# KiCad board PSEC5_Board.kicad_pcb (continued)
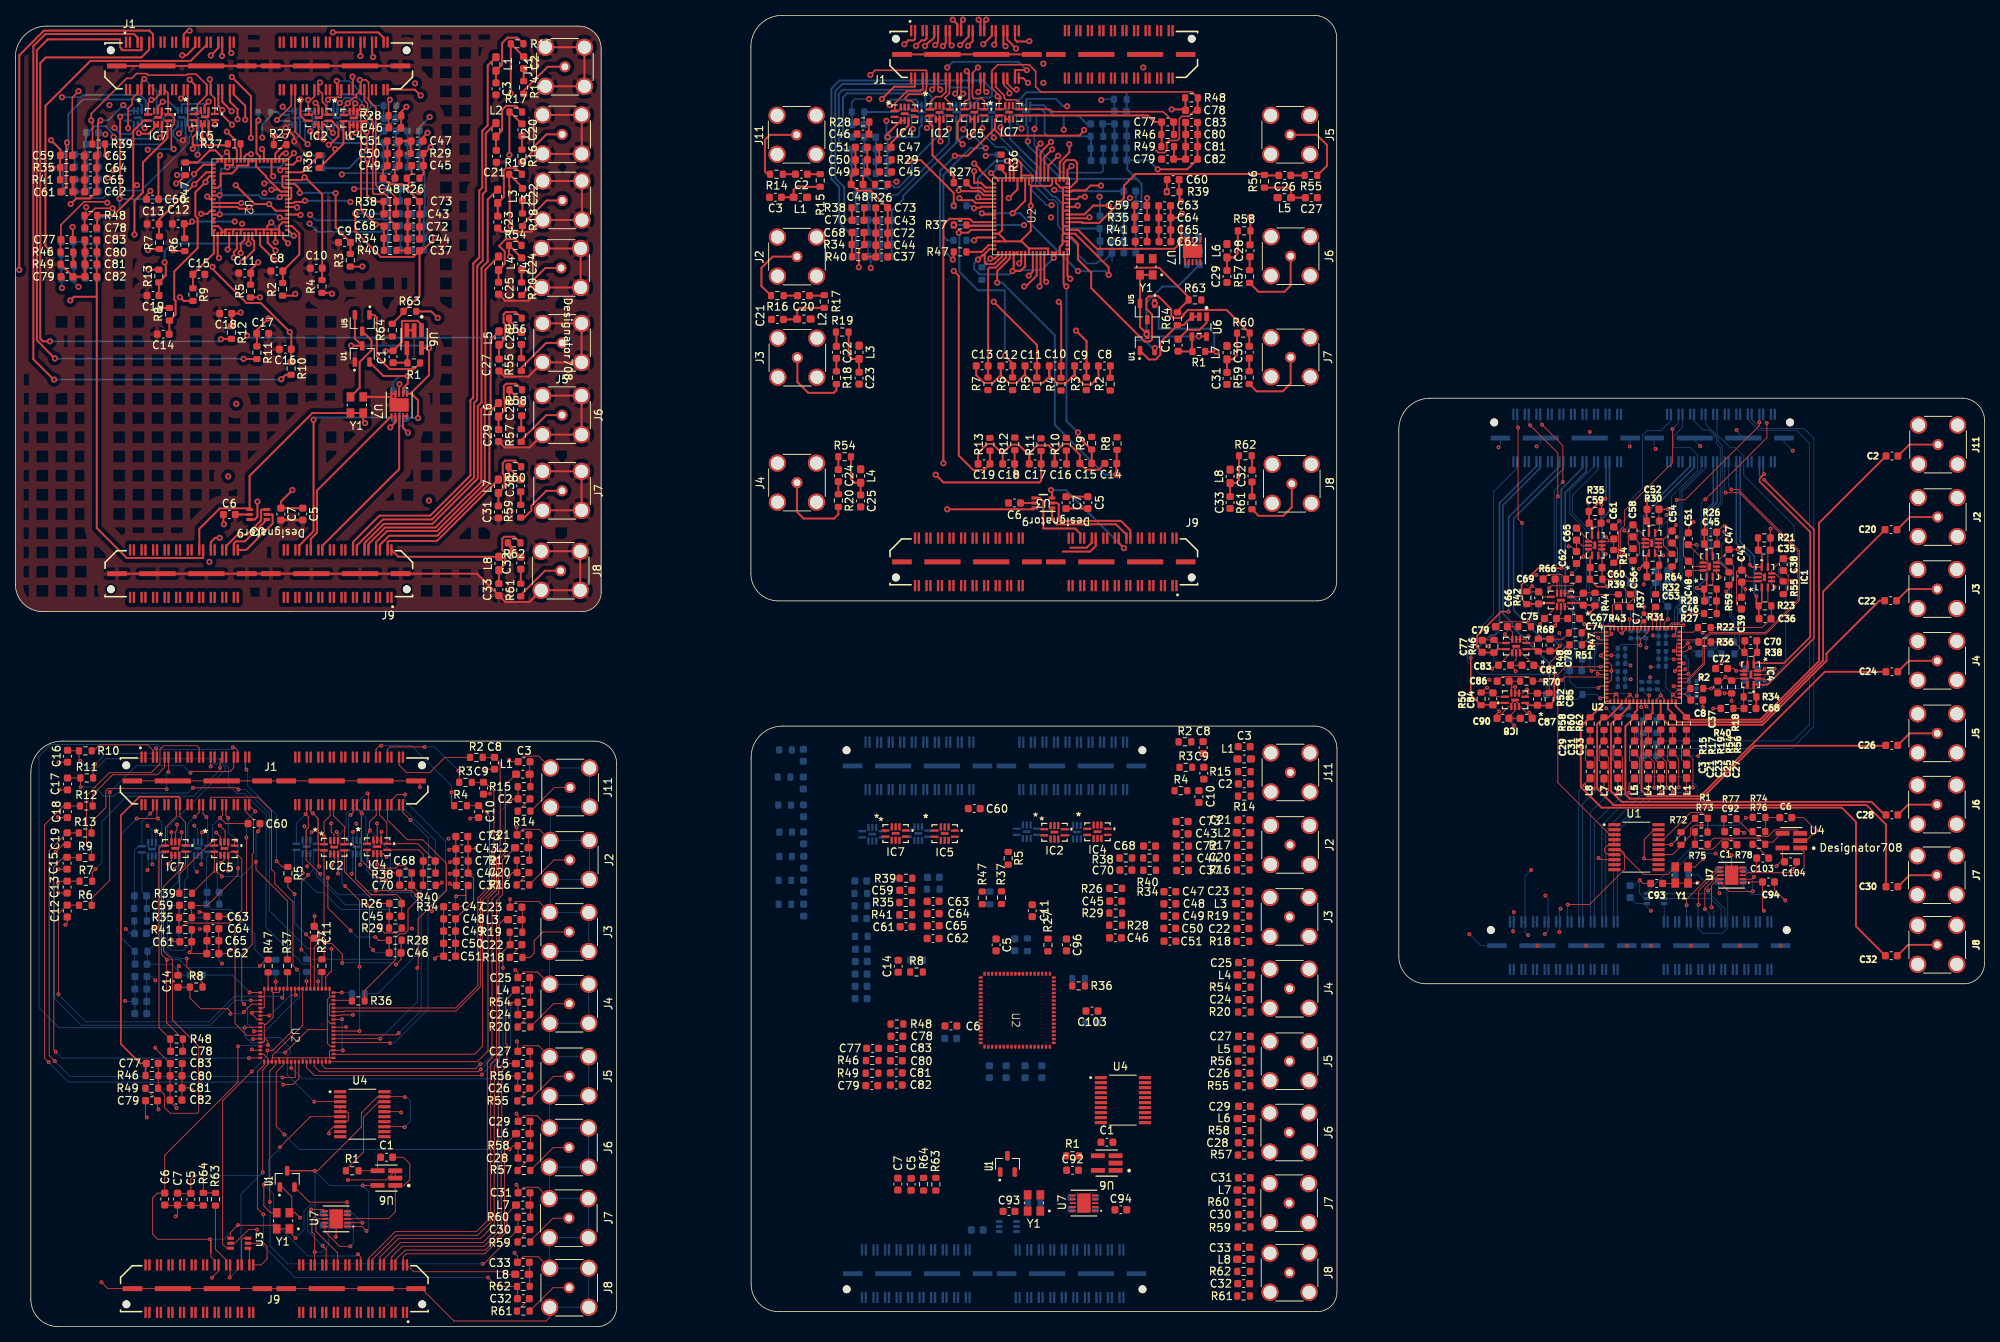
[diagram p0: board, top side]
## Routing (per net, layer and track width the routed paths; a pad name or vN(x,y) marks a point on that pad's centre or on a via; arc(x,y) is an arc through that point) (continued)
  In1.Cu w0.25: v2(18.79,132.5) 18.19,133.1 18.19,145.1 18.29,145.2 18.29,148.2 18.06,148.42 18.06,156.04 18.44,156.42 18.44,162.17 v2(21.71,165.45)
  Bottom w0.1: J1#5.73 196.85,117.48 v1(197.04,117.3) ; v1(22.3,47.9) 21.48,47.9 21.38,48 20.47,48 19.25,49.22 19.25,53.45 ; R8#5.2 202.84,87.57 202.84,94.4 201.09,96.15 201.09,97.83 200.49,98.43 200.49,107.9 v1(200.64,108.05) ; 19.25,53.37 19.25,56.02 21.2,57.97 21.2,61.87 19.8,63.27 19.8,64.96 27.27,72.43 27.27,72.79 26.83,73.23 25.73,73.23 v1(25.4,72.9)
Disc_Thresh8: length 116.6
  Top w0.1: J1#2.21 23.91,75.34 23.65,75.6 19.31,75.6 18.81,75.11 18.81,73.23 17.7,72.12 12.26,72.12 9.25,69.12 9.25,62.84 9.92,62.18 R9#2.2 ; v1(195.99,104.6) 195.46,105.12 v1(195.46,117)
  Top w0.25: J1.35 129.02,167.47 v2(130.16,166.33) ; v2(21.39,133.97) 21.88,133.48 R9#3.2 ; J1#3.21 21.9,168.19 22.36,168.65 v2(22.66,168.65)
  In1.Cu w0.25: v2(21.39,133.97) 21.76,134.35 21.76,153.4 20.56,154.6 20.56,161.21 24.05,164.7 25.71,164.7 26.14,165.12 26.14,168.4 25.89,168.65 v2(22.66,168.65)
  Bottom w0.1: J1#5.77 195.35,117.11 v1(195.46,117) ; v1(195.99,104.6) 195.99,97.11 197.24,95.86 197.24,91.91 198.13,91.02 199.03,91.02 201.54,88.51 201.54,82.92 R9#5.2
DISCBIAS: length 158.6
  Top w0.1: v1(19.9,72.17) 19.91,72.18 J1#2.11 19.91,73.59 ; v1(19.67,69.95) 19.57,70.05 12.07,70.05 11.77,69.75 11.77,67.56 9.9,65.69 R13#2.2
  Top w0.25: J1.19 123.02,169.85 v2(123.26,170.09) ; R13#3.2 v2(17.31,137.55) ; J1#3.11 17.9,168.19 17.42,168.66 3.71,168.66 0.51,165.46 v2(0.51,137.52)
  In2.Cu w0.25: v2(0.51,137.52) 17.29,137.52 v2(17.31,137.55)
  Bottom w0.1: v1(19.67,69.95) 19.67,71.95 v1(19.9,72.17) ; R13#5.2 212.44,76.62 212.44,75.89 213.1,75.22 231.06,75.22 233.94,78.1 233.94,115.62 232.69,116.86 227.07,116.86 225.85,118.08 J1#5.09
PICO: length 104.9
  Top w0.1: v1(44.77,46.85) 44.77,55.45 v1(42.9,57.32) ; v1(45.82,69.4) 45.91,69.31 J1#2.68 ; U2#3.47 v1(44.75,38.47) ; U2#5.47 217.04,85.37 v1(217.21,85.55)
  Top w0.25: U2.47 132.85,153.46 v2(133.35,153.97) ; J1#3.68 43.9,162.63 v2(43.85,162.68) ; v2(37.66,146.52) 37.51,146.37 36.34,146.37 36.19,146.22 U2#4.47 ; J1.11 120.02,167.16 v2(119.65,166.79)
  In1.Cu w0.25: v2(43.59,146.37) 44.96,147.75 44.96,157.43 45.82,158.28 45.82,159 43.85,160.96 v2(43.85,162.68)
  Bottom w0.1: v1(42.9,57.32) 42.47,57.75 42.47,61.44 42.25,61.66 42.25,64.17 43,64.92 43,66.7 45.69,69.4 v1(45.82,69.4) ; v1(44.75,38.47) 44.75,46.82 v1(44.77,46.85) ; v1(217.21,85.55) 217.41,85.75 217.41,86.85 216.11,88.15 216.11,90.66 215.81,90.96 215.81,93.33 215.99,93.5 215.99,93.62 216.01,93.64 216.01,93.71 216.4,94.1 217.22,94.1 217.44,94.31 217.44,96.14 216.51,97.06 216.51,108.77 219.35,111.61 J1#5.28
  Bottom w0.25: v2(37.66,146.52) 43.44,146.52 v2(43.59,146.37)
POCI: length 153.1
  Top w0.1: v1(49.85,38.2) 49.62,37.97 U2#3.48 ; v1(217.61,84.95) 217.54,84.87 U2#5.48 ; J1#2.80 50.41,66.91 v1(51.4,65.92)
  Top w0.25: J1.04 117.02,161.45 116.94,161.37 114.31,161.37 v2(112.71,159.77) ; J1#3.80 51.95,160.98 v2(52.71,160.22) ; v2(36.64,145.65) 36.56,145.72 U2#4.48 ; v2(134.71,154.19) 133.35,152.82 U2.48
  In1.Cu w0.25: v2(52.71,160.22) 52.71,147.85 v2(52.51,147.65) ; v2(112.71,159.77) 114.81,161.87 120.71,161.87 122.95,164.1 124.05,164.1 124.47,163.68 124.47,163.08 125.18,162.37 130.19,162.37 131.41,161.14 132.49,161.14 133.21,161.87 v2(133.71,161.87)
  In2.Cu w0.25: v2(52.51,147.65) 50.51,145.65 v2(36.64,145.65) ; 213.22,161.31 213.22,154.63 214.22,153.63
  Bottom w0.1: v1(51.4,65.92) 53.76,63.56 53.76,60.14 53.66,60.04 53.66,56.1 52.78,55.22 52.78,41.13 v1(49.85,38.2) ; v1(217.61,84.95) 217.61,86.95 216.71,87.85 216.71,90.35 216.19,90.87 216.19,93.53 216.55,93.9 217.31,93.9 217.71,94.3 217.71,96.35 216.79,97.27 216.79,108.67 219.85,111.73 J1#5.26
PSEC5_CLK_OUT: length 205.8
  Top w0.1: v1(215.54,116.8) 215.54,112.43 209.29,106.18 209.29,104.2 208.74,103.65 208.74,98.38 210.69,96.43 210.69,94.95 209.94,94.2 208.09,94.2 207.76,93.87 v1(207.76,91.95) ; U4#3.3 v1(38.87,29.27) ; J1#2.35 28.91,74.98 28.52,75.37 v1(28.3,75.37) ; U1#2.3 207.41,64.02 200.64,70.8 200.64,84.87 201.64,85.87 v1(206.19,85.87) U2#5.9 ; U2#3.9 29.9,38.97 v1(29.82,38.9)
  Top w0.25: J1#3.35 26.9,165.38 v2(26.89,165.37) ; U2#4.9 25.31,146.72 v2(24.96,147.07) ; v2(131.71,161.87) 131.1,162.48 J1.40
  In1.Cu w0.25: v2(24.96,147.07) 25.94,148.05 25.94,155.37 25.04,156.27 25.04,158.3 26.86,160.12 26.86,165.35 v2(26.89,165.37)
  Bottom w0.1: 206.33,85.9 206.19,85.9 ; 206.33,85.9 206.91,86.48 206.91,91.1 v1(207.76,91.95) ; 206.33,85.9 206.21,85.9 v1(206.19,85.87) ; v1(28.3,75.37) 28.03,75.1 19.19,75.1 18.54,75.75 4.58,75.75 3.07,74.25 3.07,41.5 5.67,38.9 v1(29.82,38.9) 29.82,37.79 30.69,36.92 31.92,36.92 32.6,37.6 34.42,37.6 35.75,36.27 35.75,35.62 35.37,35.24 35.37,32.77 v1(38.87,29.27) ; v1(215.54,116.8) 216.35,117.61 J1#5.35
READBIAS1: length 128.2
  Top w0.1: J1#2.05 17.91,74.98 17.18,75.71 10.96,75.71 10.18,74.93 R10.2 ; v1(226.85,117.68) 226.85,117.26 217.19,107.6 v1(216.11,107.6)
  Top w0.25: J1#3.05 15.9,167.74 15.42,168.21 3.9,168.21 2.34,166.65 2.34,125.9 4.94,123.3 4.99,123.3 v2(5.04,123.25) ; J1.13 121.02,167.02 v2(120.64,166.64) ; R10#2.2 35.16,123.87 v2(34.59,123.3)
  Bottom w0.1: J1#5.07 v1(226.85,117.68) ; R10#4.2 214.86,98.5 214.86,104.57 216.11,105.82 v1(216.11,107.6)
  Bottom w0.25: v2(34.59,123.3) 34.54,123.25 v2(5.04,123.25)
READBIAS2: length 127.6
  Top w0.1: v1(227.81,117.57) 227.84,117.55 227.84,115.7 v1(219.81,107.67) ; R11#3.2 10.11,72.93 v1(10.38,73.2) ; v1(18.33,75.25) 18.41,75.17 J1#2.07
  Top w0.25: v2(29.69,125.95) 29.71,125.92 R11#2.2 ; v2(121.78,166.74) 121.52,167 J1.15 ; J1#3.07 16.4,166.14 16.38,166.11 13.87,166.11 13.81,166.17 13.81,166.32 13.61,166.52 13.61,167.52 4.29,167.52 4.25,167.56 2.79,166.1 2.79,128.39 3.59,127.59 3.59,127.55 v2(5.14,126)
  Bottom w0.1: 227.35,118.26 J1#5.05 227.35,118.03 v1(227.81,117.57) ; v1(219.81,107.67) 219.26,107.12 219.26,101.8 218.29,100.82 218.29,95.77 219.46,94.6 R11#4.2 ; v1(18.33,75.25) 17.68,74.6 11.78,74.6 v1(10.38,73.2)
  Bottom w0.25: v2(5.14,126) 5.19,125.95 v2(29.69,125.95)
ReadClk: length 100.6
  Top w0.1: v1(31.02,38.42) 31.07,38.47 U2#3.8 ; U2#5.8 205.06,85.37 v1(205.04,85.35) ; J1#2.38 29.91,67.06 30.97,65.99 30.97,61.67 30.8,61.5 30.8,49.75 29.45,48.4 29.45,42.27 v1(29.75,41.97)
  Top w0.25: v2(28.9,157.12) 28.9,158.42 27.9,159.42 J1#3.38 ; v2(115.64,166.89) 116.14,167.4 116.85,167.4 117.02,167.56 J1.03 ; v2(131.21,135.37) 131.42,135.37 132.85,136.79 U2.8 ; U2#4.8 v2(29.39,146.22)
  In1.Cu w0.25: v2(28.9,157.12) 28.9,157.05 29.39,156.56 v2(29.39,146.22)
  In2.Cu w0.25: 202.49,136.03 209.49,136.03 210.72,134.81
  Bottom w0.1: v1(205.04,85.35) 204.79,85.6 204.79,87.01 205.41,87.63 205.41,88.61 206.29,89.48 206.29,93.52 204.36,95.45 204.36,103.63 202.19,105.8 202.19,108.8 205.35,111.96 J1#5.52 ; v1(29.75,41.97) 30.2,41.52 30.2,39.4 31.02,38.57 v1(31.02,38.42)
rst: length 129.2
  Top w0.1: v1(222.46,108.55) 224.21,108.55 231.86,100.9 231.86,94.6 227.61,90.35 220.36,90.35 219.51,89.5 219.51,86.28 217.6,84.37 U2#5.49 ; J1#2.74 48.41,65.94 51,63.36 52.99,63.36 56.07,60.28 56.07,56.75 52.38,53.06 52.38,46.77 v1(52.28,46.67) ; U2#3.49 v1(47.47,37.47)
  Top w0.25: U2.49 133.85,152.18 v2(134.86,153.2) ; v2(117.16,166.68) 117.87,167.4 118.28,167.4 118.52,167.63 J1.07 ; 26.41,160.36 26.41,158.84 v2(26.92,158.33) 26.92,157.69 v2(28.19,156.42) ; v2(28.66,148.55) 31.13,146.08 v2(33.01,146.08) 33.87,145.22 U2#4.49
  In1.Cu w0.25: v2(28.66,148.55) 28.75,148.64 28.75,155.85 v2(28.19,156.42)
  In2.Cu w0.25: 213.22,163.81 214.22,162.81 214.22,154.81 214.94,154.08 214.94,153.21 214.36,152.64 ; v2(33.01,146.08) 32.89,145.96
  Bottom w0.1: J1#5.20 222.35,108.66 v1(222.46,108.55) ; v1(52.28,46.67) 52.28,42.28 v1(47.47,37.47)
  vias: v2(133.71,164.37)
SPIclk: length 129.5
  Top w0.1: U2#5.50 217.38,83.87 219.71,86.2 219.71,89.37 220.49,90.15 227.69,90.15 232.06,94.51 232.06,100.98 224.09,108.95 v1(223.21,108.95) ; U2#3.50 48.65,36.97 v1(48.72,36.9) ; v1(50.67,69.25) 49.65,69.25 48.91,68.5 J1#2.76
  Top w0.25: v2(135.64,152.37) 134.35,151.08 U2.50 ; v2(118.33,166.67) 118.95,167.29 119.04,167.29 119.52,167.78 J1.09 ; v2(28.12,158.17) 26.91,159.39 26.91,160 26.9,160.01 J1#3.36 ; v2(37.09,144.67) 37.04,144.72 U2#4.50
  In1.Cu w0.25: v2(28.12,158.17) 26.78,156.83 26.78,148.05 27.81,147.01 27.81,143.52 28.24,143.1 29.07,143.1 v2(29.49,143.52)
  In2.Cu w0.25: v2(29.49,143.52) 30.41,143.52 31.53,144.64 33.66,144.64 34.08,145.07 36.19,145.07 36.59,144.67 v2(37.09,144.67)
  Bottom w0.1: v1(50.67,69.25) 50.67,68.44 55.95,63.17 55.95,56.8 53.67,54.53 53.67,41.32 49.26,36.9 v1(48.72,36.9) ; J1#5.18 222.85,109.31 v1(223.21,108.95)
SYNC_N: length 31.6
  Top w0.1: U3#2.1 30.43,10.02 J9.44
  Top w0.25: U3#3.1 29.87,102.2 28.69,102.2 28.42,101.93 J9#2.44 ; J9#3.20 144.52,103.06 143.16,104.42 135.41,104.42 134.84,104.99 U3.1
  Bottom w0.1: U3#5.1 220.39,56.35 222.37,54.36 222.37,52.65
TRIGGERIN: length 158
  Top w0.1: U2#5.6 206.79,84.55 201.54,84.55 v1(201.14,84.15) ; v1(36.62,46.47) 36.11,46.99 36.11,55.29 33.75,57.65 33.75,59.07 33.3,59.52 33.3,67.15 31.54,68.91 25.51,68.91 25.41,68.81 J1#2.26 25.41,68.51 ; v1(30.9,37.42) 30.95,37.47 U2#3.6
  Top w0.25: U2.6 133.85,136.19 v2(134.07,135.97) ; U2#4.6 25.36,145.22 24.96,144.82 v2(24.14,144.82) ; J1.37 130.02,167.49 130.27,167.24 131.84,167.24 v2(131.89,167.29) ; v2(22.67,162.29) 23.4,161.56 J1#3.26
  In1.Cu w0.25: v2(22.67,162.29) 23.6,161.37 23.6,154.71 23.59,154.7 23.59,153.8 24.42,152.96 24.42,149.98 24.01,149.57 24.01,144.95 v2(24.14,144.82)
  In2.Cu w0.25: 211.4,166.73 211.4,165.99 208.07,162.66 208.07,156.97 206.91,155.81 206.91,155.21 207.77,154.35 207.77,141.21 213.58,135.41
  Bottom w0.1: J1#5.78 195.35,111.73 192.26,108.64 192.26,92.72 188.91,89.37 188.91,86.55 190.56,84.9 200.39,84.9 v1(201.14,84.15) ; v1(36.62,46.47) 36.97,46.12 36.97,42.94 31.46,37.42 v1(30.9,37.42)
TRIGGEROUT: length 145.4
  Top w0.1: U2#3.7 31.82,37.92 30.09,37.92 28.57,39.44 28.57,51.97 30.05,53.45 v1(30.05,63.65) ; J1#2.40 30.41,67.83 v1(31.2,67.05) ; v1(205.81,84.97) 205.91,84.87 U2#5.7
  Top w0.25: J1.38 130.02,163.5 130.05,163.53 v2(131.55,163.53) 131.71,163.37 ; U2#4.7 28.86,145.72 29.09,145.5 30.21,145.5 v2(30.44,145.72) ; v2(29.9,157.07) 29.9,158.87 28.41,160.36 ; U2.7 133.35,135.5 v2(133.21,135.37)
  In1.Cu w0.25: v2(30.44,145.72) 30.44,151.62 29.9,152.16 v2(29.9,157.07)
  In2.Cu w0.25: 212.72,134.81 211.99,134.08 203.28,134.08 200.72,136.65 200.72,154.54 200.21,155.05 200.21,159.81 200.72,160.32 200.72,163.31
  Bottom w0.1: 205.81,85 v1(205.81,84.97) 205.81,85.14 205.39,85.56 205.39,87.32 205.61,87.55 205.61,88.45 206.56,89.4 206.56,93.67 204.71,95.52 204.71,103.7 202.56,105.85 202.56,108.22 205.85,111.51 J1#5.50 ; v1(30.05,63.65) 30.05,65.9 v1(31.2,67.05)
  Bottom w0.25: v2(121.21,163.87) 121.94,164.59 130.49,164.59 v2(131.55,163.53)
V_ped1: length 178.5
  Top w0.1: L1#4.2 63.72,70.47 63.72,61.68 62.87,60.83 62.87,56.48 62,55.61 62,35.05 61.38,34.43 61.38,13.78 59.97,12.36 49.41,12.36 45.93,8.89 J9.16 ; L1.2 v1(217.39,69.52)
  Top w0.25: J9#2.16 43.92,102.11 47.36,105.55 53.96,105.55 59.19,110.77 59.19,120.55 59.56,120.92 59.56,138.37 60.34,139.15 60.34,147.85 60.74,148.25 60.74,155.62 61.44,156.32 61.44,164.12 L1#5.2
  Bottom w0.1: v1(217.39,69.52) 215.99,69.52 215.99,69.41 215.33,68.75 212.71,68.75 208.37,64.4 208.37,52.65
V_ped2: length 158.4
  Top w0.1: L2#5.2 215.56,69.6 v1(215.59,69.57) ; J9.14 46.43,8.75 49.53,11.85 49.59,11.85 49.63,11.89 60.13,11.89 61.83,13.59 61.83,34.19 62.57,34.93 62.57,55.41 63.36,56.2 63.36,60.69 L2.2
  Top w0.25: J9#2.14 44.42,101.66 47.81,105.05 54.19,105.05 59.66,110.52 59.66,120.22 60.06,120.62 60.06,138.02 60.79,138.75 60.79,147.4 61.19,147.8 61.19,155.3 L2#3.2
  Bottom w0.1: v1(215.59,69.57) 214.96,68.95 212.21,68.95 207.87,64.6 207.87,52.65
V_ped3: length 139.1
  Top w0.1: L3.2 214.01,69.6 v1(214.04,69.57) ; L3#2.2 63.51,52.96 62.92,52.37 62.92,34.53 62.28,33.89 62.28,13.25 60.47,11.44 49.81,11.44 47.43,9.06 J9.12
  Top w0.25: J9#2.12 45.42,101.97 47.93,104.47 54.25,104.47 60.15,110.37 60.15,119.78 60.64,120.27 60.64,137.8 61.44,138.6 61.44,146.67 L3#3.2
  Bottom w0.1: 206.87,52.65 206.87,64.63 211.39,69.15 213.61,69.15 v1(214.04,69.57)
V_ped4: length 120.6
  Top w0.1: L4#2.2 212.41,69.57 v1(212.44,69.55) ; L4.2 63.8,42.51 63.8,36.83 63.93,36.7 63.93,34.69 62.8,33.56 62.8,24.37 62.73,24.3 62.73,12.86 60.81,10.93 50.07,10.93 47.93,8.79 J9.10
  Top w0.25: J9#2.10 45.92,101.83 48.09,104 54.64,104 58.88,108.23 58.91,108.23 60.6,109.92 60.6,119.4 61.14,119.93 61.14,137.55 L4#5.2
  Bottom w0.1: 206.37,52.65 206.37,65.28 210.61,69.52 212.41,69.52 v1(212.44,69.55)
V_ped5: length 99.7
  Top w0.1: J9.08 48.93,9.06 50.34,10.46 60.97,10.46 63.18,12.67 63.18,23.88 63.27,23.97 63.27,33.25 64.25,34.23 L5#2.2 ; v1(209.89,69.47) 209.89,70.62 L5#3.2
  Top w0.25: J9#2.08 46.92,102.11 48.36,103.55 54.86,103.55 61.05,109.74 61.05,119.21 61.81,119.97 61.81,128.42 L5.2
  Bottom w0.1: 205.37,52.65 205.37,65.5 209.34,69.47 v1(209.89,69.47)
V_ped6: length 79.7
  Top w0.1: J9.06 49.43,8.69 50.7,9.96 61.11,9.96 63.63,12.48 63.63,23.63 L6#3.2 ; v1(208.41,69.47) 208.44,69.5 L6.2
  Top w0.25: L6#4.2 61.66,119 61.66,109.71 54.87,102.92 48.6,102.92 47.42,101.74 J9#2.06
  Bottom w0.1: v1(208.41,69.47) 207.39,69.47 204.87,66.95 204.87,52.65
V_ped7: length 58.7
  Top w0.1: L7#2.2 63.93,14.64 63.93,12.36 61.05,9.47 50.85,9.47 50.43,9.06 J9.04 ; L7#5.2 206.64,70.4 v1(206.34,70.1)
  Top w0.25: J9#2.04 48.42,102.11 48.56,102.25 54.84,102.25 60.41,107.82 60.41,107.83 L7#3.2
  Bottom w0.1: 203.87,52.65 203.87,68.01 205.95,70.1 v1(206.34,70.1)
V_ped8: length 48.3
  Top w0.1: v1(204.09,70.45) 204.09,70.62 L8#5.2 ; J9.02 51.82,7.14 63.57,7.14 63.9,6.81 L8#4.2
  Top w0.25: L8.2 49.81,100.19 J9#2.02
  Bottom w0.1: v1(204.09,70.45) 203.37,69.73 203.37,52.65
WBUFBIAS: length 160
  Top w0.1: R12.2 10.05,69.21 12.43,71.59 12.43,71.61 12.65,71.82 18.45,71.82 19.41,72.78 J1#2.09
  Top w0.25: v2(4.49,128.22) 3.59,128.22 3.24,128.57 3.24,128.6 ; v2(26.74,128.5) 26.78,128.54 R12#3.2 ; J1.17 122.52,169.5 v2(121.93,170.09) ; J1#3.09 17.4,166.19 16.39,165.17 3.96,165.17 3.24,164.45 3.24,128.6 ; 3.24,128.6 3.29,128.55
  Bottom w0.1: R12#5.2 214.56,76.22 231.24,76.22 233.39,78.37 233.39,114.95 231.67,116.66 226.74,116.66 225.35,118.06 J1#5.11
  Bottom w0.25: v2(4.49,128.22) 26.46,128.22 v2(26.74,128.5)
Net-(C2-Pad2): length 5.5
  Top w0.1: R14#4.1 C2#4.2
  Top w0.25: C2#3.2 R14#2.1 ; R14#5.1 C2.2
Net-(C3-Pad1): length 23.6
  Top w0.1: R15#2.1 66.99,71.79 L1#4.1 66.89,73.46 C3#3.1 ; L1.1 216.74,73.8 216.74,75.6 C3#5.1 217.34,76.25 217.34,77.72
  Top w0.25: C3#4.1 L1#3.1 101.22,147.9 101.72,148.4 102.43,148.4 102.49,148.33 R15#5.1 ; R15#4.1 65.29,167.75 64.01,167.75 63.31,167.05 63.31,164.25 L1#5.1 C3#2.1
Net-(C20-Pad2): length 5.9
  Top w0.1: R16#3.1 C20#2.2
  Top w0.25: R16#4.1 C20#5.2 ; C20#3.2 R16#2.1
Net-(C21-Pad1): length 23.8
  Top w0.1: R17#2.1 C21#5.1 214.94,75.6 214.94,73.72 L2#5.1 ; C21#3.1 66.75,63.95 L2.1 66.86,62.21 R17#3.1
  Top w0.25: R17#5.1 65.11,158.87 63.84,158.87 63.31,158.35 63.31,155.67 L2#3.1 62.51,153.13 C21.1 ; C21#2.1 101.64,131.07 L2#2.1 101.69,132.28 102,132.59 R17#4.1
Net-(C22-Pad2): length 5.7
  Top w0.1: C22#4.2 64.3,48.11 R18#3.1
  Top w0.25: C22#3.2 R18#4.1 ; R18.1 C22#5.2
Net-(C23-Pad1): length 23.8
  Top w0.1: C23#3.1 65.94,54.53 R19#2.1 ; R19.1 C23.1 213.39,75.6 213.39,73.72 L3.1
  Top w0.25: C23#5.1 L3#5.1 108.9,125.92 108.38,126.44 R19#4.1 ; R19#5.1 65.09,150.77 63.81,150.77 63.51,150.47 63.51,149.47 63.54,149.45 63.54,147.02 L3#3.1 C23#2.1
Net-(C24-Pad2): length 5.6
  Top w0.1: R20.1 65.34,39.02 C24#2.2
  Top w0.25: C24#5.2 R20#4.1 ; C24#4.2 R20#2.1
Net-(C25-Pad1): length 23.3
  Top w0.1: L4#2.1 211.79,73.72 211.79,75.6 C25#3.1 R54#5.1 ; R54#3.1 66.98,45.36 C25#5.1
  Top w0.25: R54.1 65.05,141.51 63.77,141.51 62.91,140.65 63.65,139.92 63.65,138.31 L4#5.1 C25.1 ; R54#2.1 108.69,110.28 109.14,109.83 L4#4.1 C25#2.1
Net-(C26-Pad2): length 5.9
  Top w0.1: R55#2.1 65.29,29.41 C26#5.2
  Top w0.25: R55.1 C26#2.2 ; C26#3.2 R55#4.1
Net-(C27-Pad1): length 23.9
  Top w0.1: L5#3.1 209.99,73.72 209.99,75.6 C27.1 210.64,76.25 R56#2.1 ; C27#4.1 66.97,35.76 R56.1
  Top w0.25: C27#3.1 L5.1 63.71,128.57 63.71,130.47 63.5,130.69 63.5,131.74 63.8,132.04 65.07,132.04 R56#5.1 ; R56#4.1 165.63,148.23 165.94,147.93 L5#5.1 C27#5.1
Net-(C28-Pad2): length 5.8
  Top w0.1: C28#3.2 65.33,20.33 R57#3.1
  Top w0.25: R57#4.1 160.54,139.19 C28#2.2 ; C28#4.2 65.8,118.49 R57.1
Net-(C29-Pad1): length 23.4
  Top w0.1: R58#5.1 66.99,26.67 C29#5.1 ; R58#3.1 C29#2.1 207.81,75.62 207.81,73.77 L6.1
  Top w0.25: C29#4.1 L6#4.1 63.65,119.24 63.65,120.72 63.53,120.84 63.53,122.4 63.84,122.71 65.11,122.71 R58#4.1 ; R58#2.1 159.01,139.69 158.46,139.14 L6#2.1 C29.1
Net-(C30-Pad2): length 5.7
  Top w0.1: R59#4.1 C30#4.2
  Top w0.25: C30#3.2 R59#2.1 ; R59#5.1 C30.2
Net-(C31-Pad1): length 23.3
  Top w0.1: R60#2.1 66.98,17.37 C31#2.1 ; R60#5.1 C31#4.1 206.01,75.6 206.01,73.7 L7#5.1
  Top w0.25: C31.1 L7#3.1 63.63,109.3 63.63,110.77 63.4,111.01 63.4,112.39 63.72,112.71 64.99,112.71 R60#3.1 ; R60.1 158.9,126.44 158.35,125.88 L7#4.1 C31#3.1
Net-(C32-Pad2): length 6.1
  Top w0.1: C32#2.2 65.25,2.04 R61#4.1
  Top w0.25: C32#4.2 R61.1 ; R61#2.1 160.85,109.93
Net-(C33-Pad1): length 23.6
  Top w0.1: C33#2.1 66.9,8.32 R62#5.1 ; R62.1 C33#4.1 204.21,75.6 204.21,73.75 L8#5.1
  Top w0.25: C33#3.1 L8.1 63.71,99.26 63.71,100.7 63.33,101.09 63.33,102.53 63.59,102.8 64.9,102.8 R62#3.1 ; C33.1 L8#3.1 158.75,109.78 159.17,110.19 159.16,110.21 R62#4.1
Net-(IC1-+IN): length 73.5
  Top w0.1: R22.1 227.21,90.97 C36.1 228.41,92.17 R23.2 227.96,94.25 IC1.2
  Top w0.25: v2(45.71,153.07) 45.71,155.42 v2(45.69,155.45)
  Bottom w0.1: IC1#2.2 45.7,59.42 48.61,56.5 51.37,56.5 51.58,56.71 R23#5.2 51.58,58.98 C36#5.1 51.54,56.04 52.48,55.1 52.48,48.68 47.15,43.34 R22#5.1
  Bottom w0.25: 47.49,156.45 48.7,156.45 C36#4.1 49.5,158.85 R23#4.2 ; 47.49,156.45 47.21,156.45 ; 47.49,156.45 46.14,156.45 ; R22#3.1 43.41,150.77 v2(45.71,153.07) ; IC1#4.2 45.7,156.9 46.14,156.45 ; v2(45.69,155.45) 46.14,155.9 46.14,156.45 ; IC1#5.2 115.1,158.47 114.7,158.07 R23#2.2 110.38,158.02 C36#3.1 ; R22#2.1 126.37,152.52 v2(126.21,152.37)
Net-(IC1--IN): length 63.3
  Top w0.1: v1(228.31,103.85) R21.1 228.31,101.1 C35.2 227.96,100.75 IC1.6 ; v1(52.17,56.12) 51.56,56.73 46.91,56.73 v1(46.9,56.74)
  Bottom w0.1: IC1#2.6 43.07,58.94 45.26,56.74 v1(46.9,56.74) ; C35#5.2 53.01,60.54 R24#3.1 53.01,56.96 v1(52.17,56.12) ; v1(228.31,103.85) 228.23,103.77 R24#4.1
  Bottom w0.25: C35#4.2 47.9,150.95 R24.1 41.57,154.04 40.57,155.04 IC1#4.6 ; IC1#5.6 119.2,160.02 118.27,160.94 107.61,160.94 107.1,160.44 107.1,153.78 107.66,153.22 R24#2.1 108.8,153.2 R21#5.1 108.8,150.12 C35#2.2
Net-(IC2-+IN): length 75.2
  Top w0.1: R27#3.1 221.31,94.39 C46#2.1 221.26,95.89 221.31,95.94 R28.2 220.79,96.51 IC2#2.2 ; R28#2.2 50.17,50.21 C46.1 50.17,47.77 v1(49.51,47.11) ; 40.15,49.87 40.15,48.07 R27#2.1 ; 40.15,49.87 IC2#3.2 ; 40.15,49.87 41.13,49.87 42.52,48.48 v1(42.52,47.32)
  Top w0.25: C46#5.1 50.19,156.07 R28#4.2 50.19,158.07 v2(50.86,158.75) ; R27#4.1 122.06,149.67 119.29,152.45 119.29,156.29 118.9,156.68 IC2#5.2 ; C46#3.1 111.03,156.73 R28#3.2 ; IC2#4.2 37.76,156.92 37.09,157.59 v2(37.09,159.68) ; R27#5.1 33.61,154.8 v2(33.76,154.95)
  In1.Cu w0.25: v2(33.76,154.95) 33.76,155.61 36.39,158.23 36.39,159.65 36.42,159.68 v2(37.09,159.68)
  In2.Cu w0.25: v2(50.86,158.75) 50.86,158.82 48.74,160.95 38.14,160.95 37.09,159.9 v2(37.09,159.68)
  Bottom w0.1: v1(49.51,47.11) 49.28,47.35 42.55,47.35 v1(42.52,47.32)
Net-(IC2--IN): length 42.5
  Top w0.1: IC2#3.6 42.78,59.22 46.81,55.19 47.12,55.19 47.24,55.07 R26#5.1 48.66,55.03 C45#5.2 48.61,53.36 R29#4.1 ; IC2#2.6 220.79,101.29 R26#4.1 221.34,103.34 C45#2.2 222.1,104.2 v1(222.36,104.2)
  Top w0.25: v2(54.01,153.5) 53.19,152.67 R29#3.1 53.08,149.97 R26#2.1 ; v2(40.77,153.82) 40.91,153.82 42.02,154.93 42.02,156 41.1,156.92 IC2#4.6
  In2.Cu w0.25: v2(54.01,153.5) 53.47,154.04 40.99,154.04 v2(40.77,153.82)
  Bottom w0.1: v1(222.36,104.2) 222.1,104.2 C45#2.2
Net-(IC3-+IN): length 93.1
  Top w0.1: 213.36,95.32 213.36,97.16 C53.1 213.76,99.04 R32.2 213.81,100.13 IC3.2 ; v1(37.2,49.07) 37.2,57.9 v1(38.1,58.8)
  Top w0.25: v2(122.06,145.87) 122.06,147.52 117.77,151.81 v2(116.33,151.81)
  In2.Cu w0.25: v2(44.06,148.05) 44.06,149.37 40.29,153.15 36.82,153.15 36.53,153.45 33.74,153.45 33.74,153.45 33.41,153.45 v2(32.11,154.75)
  Bottom w0.1: C53#2.1 49.33,47.82 R31#3.1 37.87,48.4 v1(37.2,49.07) ; C53#2.1 50.35,48.47 ; C53#2.1 50.17,50.22 R32#3.2 ; v1(38.1,58.8) 38.75,59.45 38.75,60.86 38.77,60.88 38.77,61.63 IC3#5.2
  Bottom w0.25: R32#5.2 109.32,145.7 C53#3.1 110.14,148.09 113.35,148.09 113.84,148.58 114.02,148.58 114.32,148.28 114.92,148.28 116.6,149.96 116.6,151.55 120.16,155.1 120.16,157.89 120.74,158.48 IC3#4.2 ; IC3#3.2 34.46,157.72 34.11,158.07 R31#2.1 33.19,157.52 32.11,156.45 v2(32.11,154.75) ; R32#4.2 48.44,146.52 C53#5.1 44.11,148.09 v2(44.06,148.05)
Net-(IC3--IN): length 106.5
  Top w0.1: IC3.6 213.84,103.84 R30.1 213.84,104.91 213.79,104.96 C52.2 214.94,106.36 v1(214.96,106.39)
  In1.Cu w0.25: v2(38.26,143.55) 39.54,144.82 39.54,152.38 38.97,152.95 38.97,154.08 38.36,154.68 v2(38.36,155.55)
  Bottom w0.1: v1(214.96,106.39) 214.91,106.44 R33.1 ; R33#5.1 48.6,54.27 ; 48.6,54.27 42.32,54.27 40.07,56.52 39.19,56.52 36.3,59.42 36.3,61.8 IC3#5.6 ; 48.6,54.27 48.6,55.03 C52#4.2
  Bottom w0.25: C52#2.2 48.41,140.17 R33#2.1 47.62,142.49 39.32,142.49 v2(38.26,143.55) ; IC3#3.6 38.35,157.72 38.67,157.4 38.67,155.86 v2(38.36,155.55) ; IC3#4.6 124.07,158.48 125.54,159.95 126.78,159.95 127.02,160.19 127.02,160.99 125.84,162.17 107.21,162.17 106.14,161.1 106.14,149.33 107.15,148.32 107.15,143.67 108.37,142.45 R33#3.1 109.3,139.35 C52#5.2
Net-(IC4-+IN): length 59.4
  Top w0.1: R36#5.1 223.56,89.1 R38#5.2 ; R38#5.2 224.91,89.2 C70#2.1 ; R38#5.2 225.31,87.35 IC4#2.2 ; R36#4.1 45.43,43.73 49.47,47.77 49.47,50.62 49.97,51.12 50.64,51.12 51.07,51.56 51.07,54.32 52.67,55.91 52.67,56.33 51.54,57.45 C70.1 51.53,59 R38.2 50.6,60 49.77,60 49.44,59.67 46.72,59.67 45.85,60.55 45.85,61.94 IC4#3.2
  Top w0.25: IC4#4.2 42.67,153.93 39.53,150.79 R36.1 ; C70#4.1 47.88,144.84 R38#4.2 46.57,146.42 45.74,147.25 45.74,151.87 v2(45.79,151.92) ; C70#3.1 108.82,145.55
  In2.Cu w0.25: v2(41.59,153.25) 44.46,153.25 v2(45.79,151.92)
Net-(IC4--IN): length 35.7
  Top w0.1: 223.44,80.45 223.34,80.55 ; 223.44,80.45 R40#2.1 ; 223.44,80.45 C68#3.2 224.81,80.5 R34.1 224.81,83.03 IC4#2.6 ; 53.05,57.44 53.05,60.59 C68#2.2 53.05,61.46 52.47,62.04 IC4#3.6
  Top w0.25: R40#5.1 108.82,142.38 C68.2 ; IC4#4.6 44.96,156.53 44.96,145.34 v2(46.87,143.44) 47.7,143.44 C68#4.2 47.93,140.06 R40#3.1
Net-(IC5-+IN): length 106.6
  Top w0.1: v1(31.55,64.45) 31.81,64.71 C60#2.1 ; v1(31.3,60.5) 31.3,59.49 35.38,55.41 R37#2.1 ; IC5#3.2 206.39,99.85 C60.1 206.39,97.31 R39.2 208.09,97.26 R37#5.1 ; 25.74,59.16 25.87,59.29 IC5#2.2 ; 25.74,59.16 26.29,59.16 v1(26.85,58.6) ; 25.74,59.16 R39#3.2
  Top w0.25: v2(11.84,152.47) 11.66,152.65 11.66,153.86 ; 23.07,153.95 23.07,154.77 23.6,155.3 23.6,156.73 IC5#5.2 ; 23.07,153.95 v2(23.07,153.29) ; 23.07,153.95 23.27,153.75 27.46,153.75 R37#4.1 ; C60#3.1 151.38,147.75 R39#5.2 151.43,146.62 v2(151.62,146.43) ; C60#4.1 18.61,152.24 v2(18.81,152.44) ; v2(123.21,153.87) 122.57,154.51 122.57,156.78 IC5#4.2 ; v2(122.06,143.37) 122.28,143.37
  In1.Cu w0.25: v2(151.62,146.43) 151.56,146.37 148.71,146.37 145.71,143.37 131.21,143.37 v2(131.2,143.35)
  In2.Cu w0.25: v2(11.84,152.47) 11.87,152.44 v2(18.81,152.44) 20.8,152.44 21.66,153.29 v2(23.07,153.29)
  Bottom w0.1: v1(26.85,58.6) 29.4,58.6 v1(31.3,60.5) 31.3,64.2 v1(31.55,64.45)
  Bottom w0.25: v2(122.06,143.37) 131.19,143.37 v2(131.2,143.35)
Net-(IC5--IN): length 58.5
  Top w0.1: v1(206.31,106.99) R35#2.1 206.26,106.04 C59#3.2 205.89,104.19 IC5#3.6 ; C59#4.2 21.29,54.77 R41.1 22.14,52.52 27.8,52.52 29.45,54.17 29.45,60.86 IC5#2.6
  Top w0.25: v2(25.94,156.45) IC5#5.6 ; C59#2.2 145.56,145.87 R41#2.1 ; v2(4.64,154.4) 5.86,153.18 C59.2 5.81,152.36 R41#4.1
  In2.Cu w0.25: v2(25.94,156.45) 24.63,157.76 14.35,157.76 13.93,158.18 13.33,158.18 12.84,157.7 9.14,157.7 5.84,154.4 v2(4.64,154.4)
  Bottom w0.1: R35#2.1 v1(206.31,106.99)
Net-(IC6-+IN): length 101.5
  Top w0.1: R43.1 205.67,95.3 R44.2 203.99,95.5 C67.1 203.47,94.97 IC6.2
  In1.Cu w0.25: v2(135.14,147.94) 135.04,147.94 129.3,153.68 126.52,153.68 v2(126.21,153.37) ; v2(12.76,150.5) 12.76,154.82 v2(12.77,154.82)
  In2.Cu w0.25: v2(12.76,150.5) 13.39,149.87 v2(21.04,149.87)
  Bottom w0.1: R43#3.1 32.51,47.74 31.15,49.09 31.15,51.07 27.96,54.26 25.6,54.26 R44#2.2 24.87,60.97 25.05,61.15 IC6#3.2
  Bottom w0.25: 12.86,154.67 12.94,154.59 17.55,154.59 19.17,156.21 19.17,157.15 19.82,157.8 IC6#5.2 ; 12.86,154.67 12.86,155.03 12.18,155.71 12.18,155.76 11.71,156.22 10.3,156.22 9.96,155.88 ; 12.86,154.67 12.77,154.75 v2(12.77,154.82) ; v2(21.04,149.87) 21.06,149.85 R43#4.1 ; 10.08,156 9.26,155.18 ; v2(135.14,147.94) 135.31,147.77 C67#5.1 144.12,147.72 R44#3.2 ; 9.23,155.48 9.18,155.43 R44#5.2 ; R43#2.1 121.21,141.37 120.71,141.87 120.71,149.87 124.21,153.37 v2(126.21,153.37) 124.83,154.75 124.83,157.92 125.36,158.44 IC6#2.2
